# Altium PCB CRD25DA12N-FMC V1.2 (01-2024).PcbDoc (part 4 of 6)
Units mil, origin at the board's own origin, x right, y up, seen from the top; angles counter-clockwise.
Board outline 8000 x 8000 mil, 6 copper layers (Top Layer, Layer 2, Layer 3, Layer 4, Layer 5, Bottom Layer), stack 91 mil thick; 574 components, 325 nets, 1631 pads, 633 vias.
Unrouted connection lines stored in the file: 1.
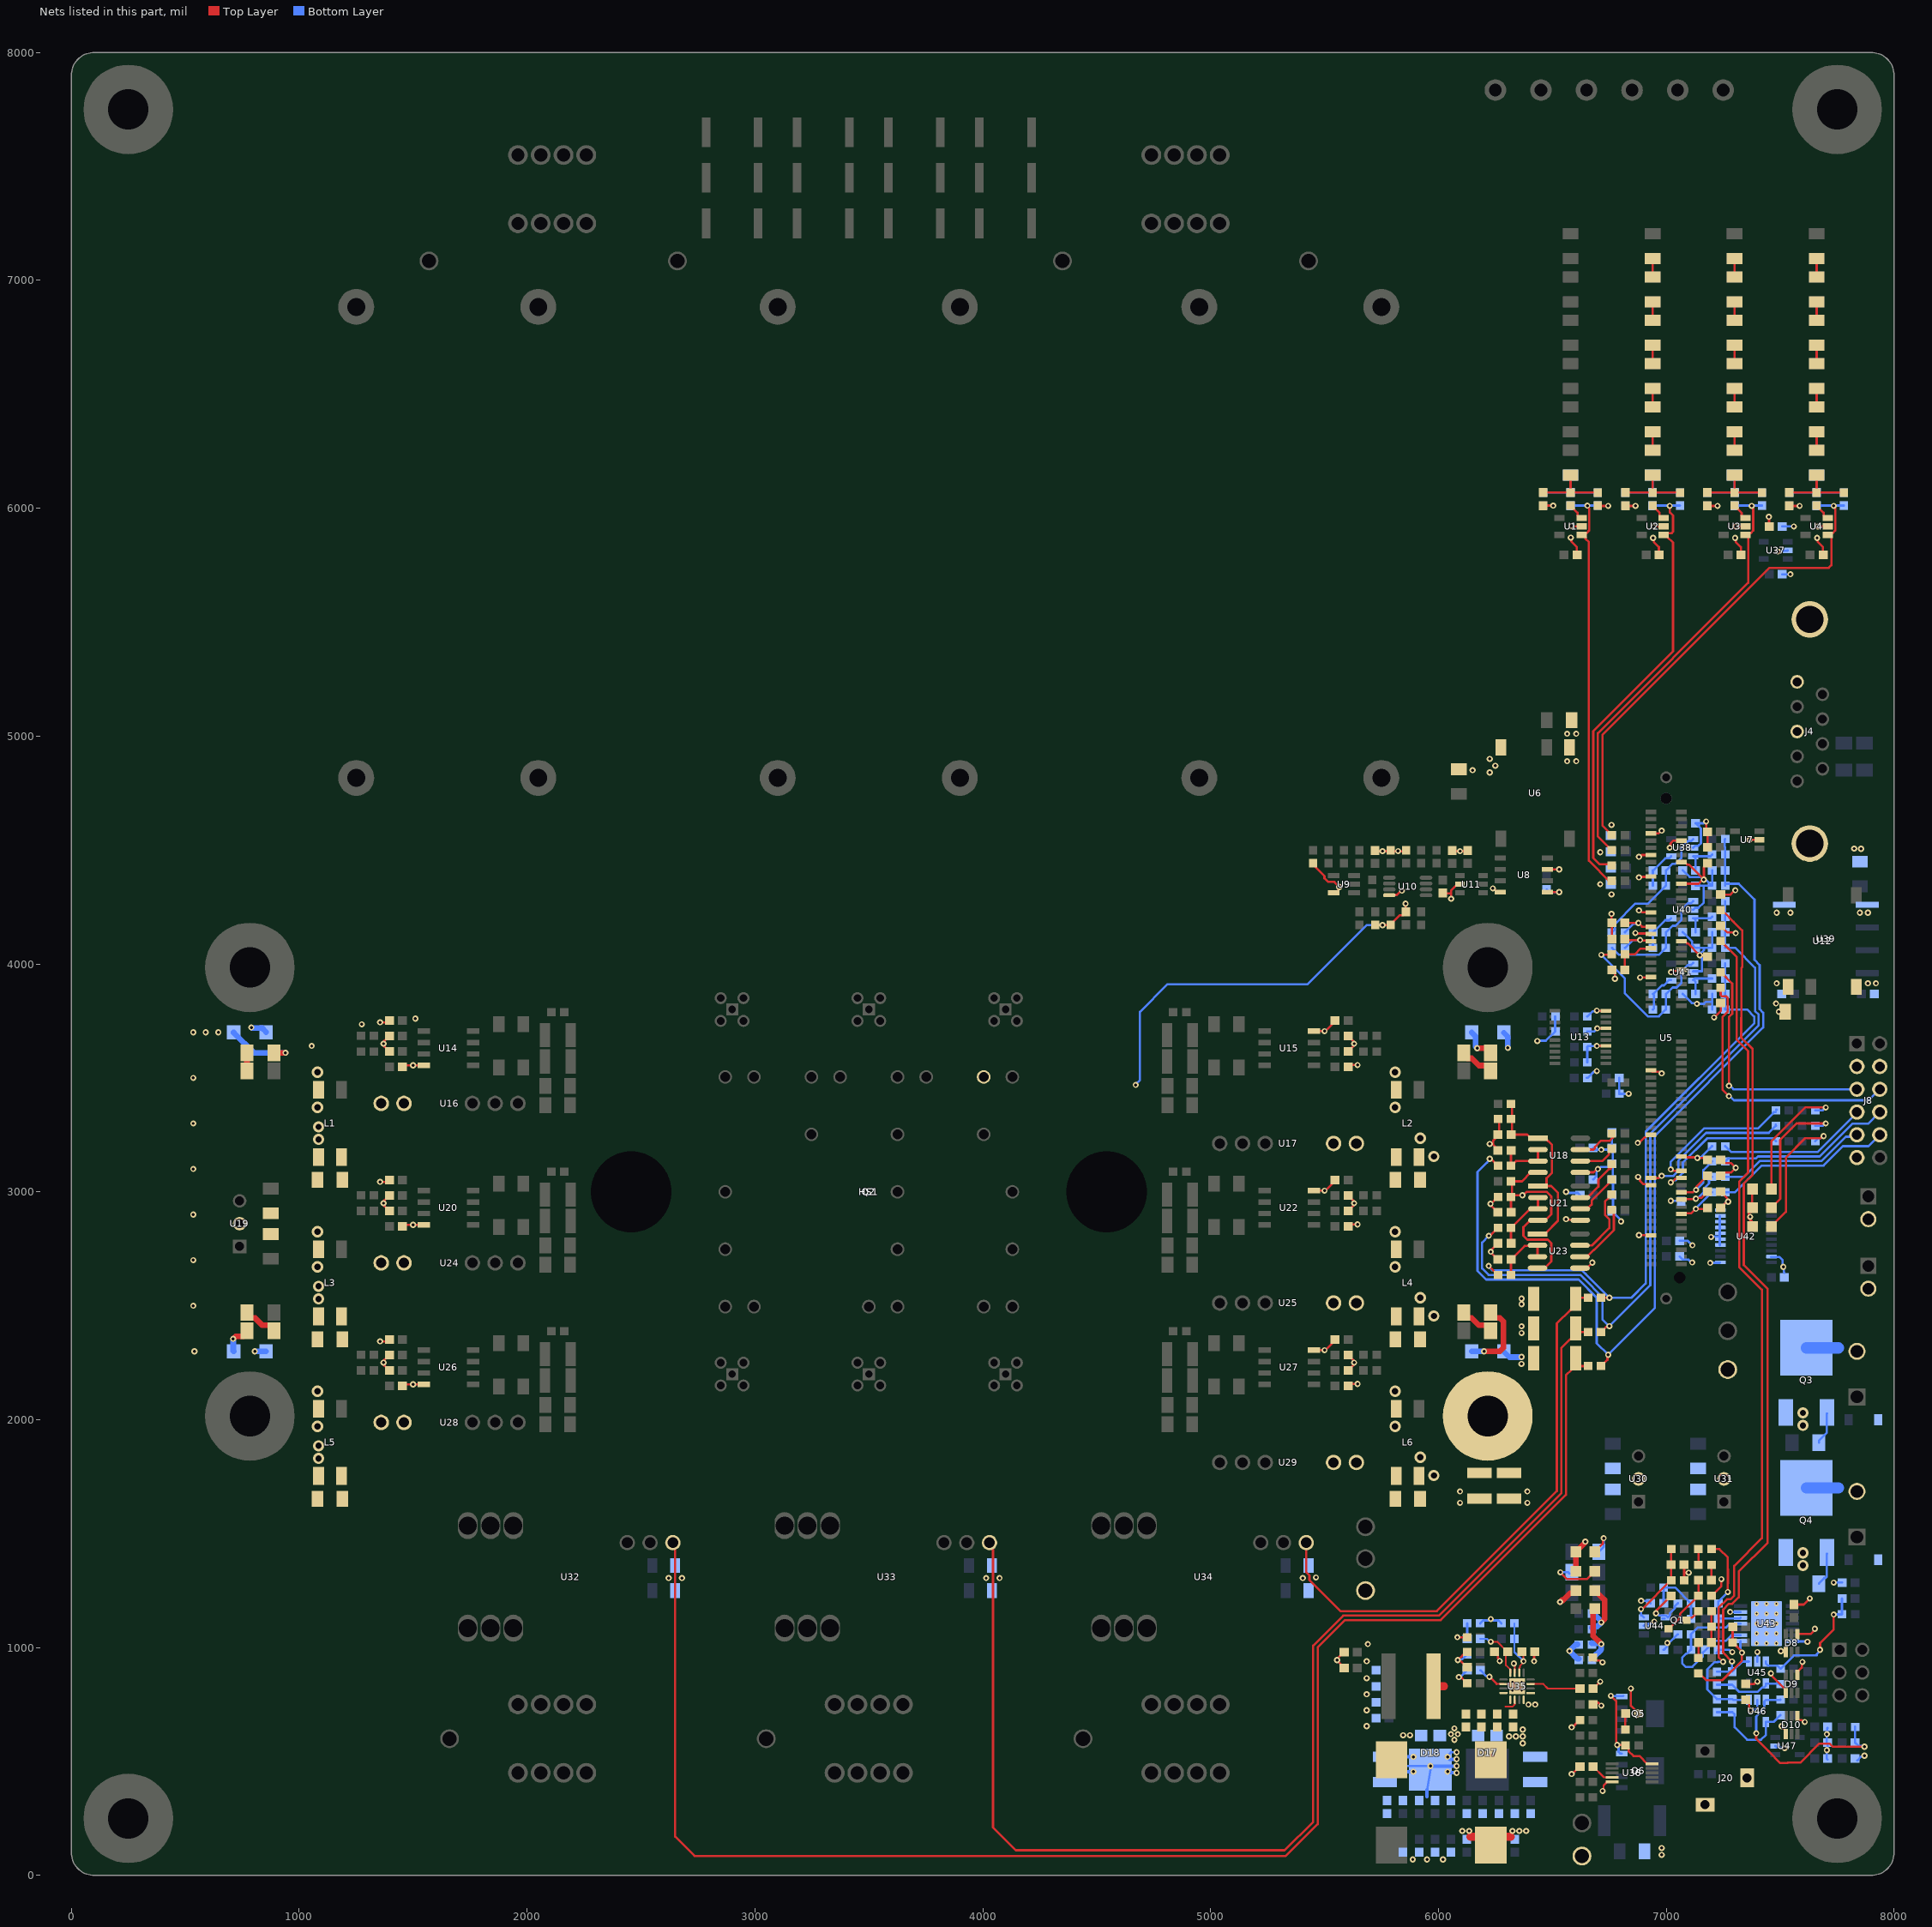
[diagram p8: the nets of this part, all layers, seen from the top]

## Via types
v1: diameter 27, hole 13, Top Layer to Bottom Layer, tented both sides, 537 vias
v2: diameter 50, hole 28, Top Layer to Bottom Layer, tented both sides, 76 vias
v3: diameter 19.68, hole 7.87, Top Layer to Bottom Layer, tented top, 15 vias
v4: diameter 19.68, hole 7.87, Top Layer to Bottom Layer, tented both sides, 5 vias

## Nets (pads, with @x,y where several pads share a name; then routed paths per layer and width w, separated by ;. In a path a pad name is that pad's centre, name@x,y a point inside that pad or via, vN(x,y) a via of type N, cw(c..) or ccw(c..) an arc to the next point about the centre after c; other vN are vias at no path point) (continued)
GND: C1.2 C2.2 C3.2 C4.2 C5.2 C6.2 C7.2 C8.2 C9.2 C10.2 C12.2 C13.2 C17.2 C19.2 C21.2 C22.2 C23.2 C24.2 C25.2 C26.2 C27.2 C28.2 C29.2 C32.2 C33.2 C34.2 C35.2 C38.2 C39.2 C44.2 C45.2 C46.2 C47.2 C50.2 C51.2 C54.2 C55.2 C56.2 C57.2 C58.2 C59.2 C60.2 C61.2 C64.2 C65.2 C66.2 C69.2 C70.2 C75.2 C76.2 C79.2 C80.2 C81.2 C82.2 C85.2 C86.2 C93.2 C96.2 C99.2 C100.2 C101.2 C102.2 C104.2 C105.2 C106.2 C107.2 C108.2 C113.2 C121.2 C122.2 C123.2 C124.2 C125.2 C127.2 C128.2 C129.2 C131.2 C132.2 C133.2 C134.2 C135.2 C137.2 C139.2 C140.2 C141.2 C143.2 C144.2 C145.2 C146.2 C147.2 C148.2 C149.2 C150.2 C151.2 C152.2 C153.2 C154.2 C155.2 C156.2 C157.2 C158.2 C159.2 C160.2 C161.2 C162.2 C163.2 C164.2 C165.2 C166.1 C167.1 C168.1 C170.2 C173.2 C174.2 C175.2 C176.2 C179.2 C182.2 C183.2 C184.2 C186.2 C187.2 C188.2 C190.2 C191.2 C192.2 C193.2 C194.2 C195.2 C196.2 C197.2 C198.2 C199.2 C200.2 C201.2 C202.2 C203.2 C204.2 C205.2 C206.2 C207.2 D1.1 D2.1 D3.1 D4.1 D5.1 D6.1 D8.1 D8.4 D9.1 D9.4 D10.1 D10.4 D11.1 D12.1 D13.1 D14.1 D18.1 J8.3 J8.4 J8.11 J9.2 J10.2 J20.2 J20.3 L1.2 L2.2 L3.2 L4.2 L5.2 L6.2 L9.1 Q3.3 Q4.3 R38.1 R83.1 R97.1 R105.1 R109.1 R117.1 R125.1 R126.1 R130.1 R131.1 R134.1 R137.1 R141.1 R142.1 R185.1 R190.1 R195.1 R197.1 R198.1 R199.1 R200.1 R201.1 R202.1 R203.1 R226.1 R229.1 R230.1 R231.1 R234.1 TP7.1 TP10.1 TP15.1 U1.2 U2.2 U3.2 U4.2 U5.7 U5.10 U5.13 U5.16 U5.19 U5.22 U5.29 U5.35 U5.38 U5.46 U5.47 U5.65 U5.83 U5.97 U5.111 U6.1 U7.2 U8.5 U8.7 U12.1 U13.4 U13.7 U13.10 U14.4 U15.4 U18.5 U19.2 U20.4 U21.5 U22.4 U23.5 U26.4 U27.4 U30.2 U31.2 U35.1 U35.7 U35.16 U35.17 U36.5 U37.2 U38.2 U39.4 U40.2 U41.2 U42.1 U42.4 U42.5 U42.6 U42.7 U42.8 U42.9 U42.10 U42.19 U43.6 U43.14 U43.15 U44.2 U45.2 U46.2 U47.2 | length 12249.7
  Top Layer w8: v1(6331.08,930) 6331.08,924.86 6335.16,920.78 6335.16,889.81 U35.7@6334.87,889.52 ; v1(6720.98,370.5) 6724.62,374.14 6724.62,394.48 U36.5@6739.86,409.72 ; U36.5@6740.77,410.63 U36.5@6762.91,410.63
  Top Layer w10: v1(1355,2343.5) 1382.92,2343.5 C75.2@1391.42,2352 ; v1(1355,3043.5) 1382.92,3043.5 C50.2@1391.42,3052 ; v1(1355,3743.5) 1382.92,3743.5 C28.2@1391.42,3752 ; C81.2@1391.42,2216 1391.42,2220.05 1373.25,2238.22 1373.25,2246.75 v1(1370,2250) 1373.25,2253.25 1373.25,2261.78 1391.42,2279.95 C79.2@1391.42,2284 ; C59.2@1391.42,2916 1391.42,2920.05 1373.25,2938.22 1373.25,2946.75 v1(1370,2950) 1373.25,2953.25 1373.25,2961.78 1391.42,2979.95 C56.2@1391.42,2984 ; C34.2@1391.42,3616 1391.42,3620.05 1373.25,3638.22 1373.25,3646.75 v1(1370,3650) 1373.25,3653.25 1373.25,3661.78 1391.42,3679.95 C32.2@1391.42,3684 ; C85.2@1448.58,2148 1455.58,2155 v1(1500,2155) U26.4@1546.73,2155 ; C64.2@1448.58,2848 1455.58,2855 v1(1500,2855) U20.4@1546.73,2855 ; C38.2@1448.58,3548 1455.58,3555 v1(1500,3555) U14.4@1546.73,3555 ; U27.4@5453.27,2305 v1(5500,2305) 5505,2305 5505,2306.53 5550.47,2352 C76.2@5551.42,2352 ; U22.4@5453.27,3005 v1(5500,3005) 5505,3005 5505,3006.53 5550.47,3052 C51.2@5551.42,3052 ; U15.4@5453.27,3705 v1(5500,3705) 5505,3705 5505,3706.53 5550.47,3752 C29.2@5551.42,3752 ; C102.2@5586.42,900 5586.42,912.05 5555,943.47 5555,949.53 5575.47,970 C99.2@5586.42,970 ; C86.2@5608.58,2148 5617.08,2156.5 v1(5645,2156.5) ; C82.2@5608.58,2216 5608.58,2220.05 5626.75,2238.22 5626.75,2246.75 v1(5630,2250) 5626.75,2253.25 5626.75,2261.78 5608.58,2279.95 C80.2@5608.58,2284 ; C65.2@5608.58,2848 5617.08,2856.5 v1(5645,2856.5) ; C60.2@5608.58,2916 5608.58,2920.05 5626.75,2938.22 5626.75,2946.75 v1(5630,2950) 5626.75,2953.25 5626.75,2961.78 5608.58,2979.95 C57.2@5608.58,2984 ; C39.2@5608.58,3548 5617.08,3556.5 v1(5645,3556.5) ; C35.2@5608.58,3616 5608.58,3620.05 5626.75,3638.22 5626.75,3646.75 v1(5630,3650) 5626.75,3653.25 5626.75,3661.78 5608.58,3679.95 C33.2@5608.58,3684 ; v1(6083.11,1045) R134.1@6126.38,1045 ; v1@6102.73,866.75 6125.47,844 R141.1@6126.38,844 ; v1(6135,195) 6135,175.86 6140.86,170 ; L9.1@6192.99,170 L9.1@6230,132.99 L9.1@6267.01,170 ; C100.2@6246.42,981 6247.37,981 6261.24,967.14 6261.24,952.5 6268.91,944.82 v1(6268.91,940.28) ; C70.2@6261.42,2703.96 6260.47,2703.96 6230,2734.43 v1(6230,2736.96) 6233.25,2740.21 6233.25,2746.74 6260.47,2773.96 C69.2@6261.42,2773.96 ; C61.2@6261.42,2909.96 6260.47,2909.96 6231.87,2938.55 6231.87,2943.57 v1(6228.62,2946.82) 6229.34,2946.82 6260.47,2977.96 R97.1@6261.38,2977.96 ; C61.2@6266.42,2909.96 C61.2@6266.38,2910 ; R83.1@6266.38,3319 6266.42,3318.96 6266.42,3251 6265.47,3251 6251.61,3237.14 6251.61,3236.19 6240.73,3225.3 6240.73,3206.75 6262.47,3185 C45.2@6275,3185 ; 6317.98,170 6323.84,175.86 6323.84,193.84 v1(6325,195) ; v1(6331.08,930) 6334.33,926.75 6334.33,921.07 v1@6334.87,920.53 ; v1(6420,940) 6420,977.42 C101.2@6423.58,981 ; C1.2@6460,6011.42 v1(6503.58,6011.42) ; U8.7@6478.35,4415 v1(6530,4415) ; U8.5@6485,4315 v1(6530,4315) ; v1(6560,2880) 6562.53,2877.47 6620.58,2877.47 U21.5@6623.06,2875 ; v1(6580.67,5871.13) 6583.92,5867.88 6583.92,5853.71 6607.63,5830 6607.63,5795.95 C6.2@6608.58,5795 ; v1(6583.58,5921.42) 6584.29,5920.71 6627.52,5920.71 U1.2@6628.23,5920 ; v1(6585,445) 6587.47,445 6620.47,478 C113.2@6621.42,478 ; v1(6585,650) 6588.47,650 6618.47,680 R142.1@6625,680 ; U23.5@6621.11,2665 6652.04,2665 6675.82,2688.78 v1(6675.82,2689.09) ; U18.5@6623.06,3085 6623.41,3085.36 6680.76,3085.36 6695.4,3100 v1(6700,3100) ; C107.2@6678.58,750 6685.82,757.24 6700.74,757.24 ; C105.2@6678.58,819 6679.53,819 6710,849.47 v1(6710,850) ; R137.1@6678.62,956 6691.58,943.04 6707.36,943.04 6715.4,935 v1(6720,935) ; v1(6695,3640) 6695.3,3640.3 6734.7,3640.3 U13.4@6735,3640.59 ; v1(6695,3795) 6695.43,3794.57 6734.57,3794.57 U13.10@6735,3794.13 ; v1(6697.19,3717.36) U13.7@6735,3717.36 ; R38.1@6700,6011.38 6701.38,6010 v1(6745,6010) ; 6701.75,758.25 v1(6715,745) ; U36.5@6739.86,409.72 U36.5@6740.77,410.63 ; v1(6760,4220) 6760,4181.42 C21.2@6761.42,4180 C23.2@6761.42,4110 ; C25.2@6761.42,3974 6775,3960.42 v1(6775,3935) ; C2.2@6820,6011.42 6821.42,6010 v1(6865,6010) ; v1(6845,820) 6845,743.58 6863.76,724.81 6863.76,723.86 6877.63,710 C108.2@6878.58,710 ; v1(6864.55,4135.68) 6866.54,4133.69 6931.08,4133.69 U5.35@6933.07,4131.69 ; v1(6875,3215) 6878.25,3218.25 6884,3218.25 6904.89,3239.15 6908.64,3239.15 6919.29,3249.8 U5.83@6933.07,3249.8 ; v1(6876.5,3065) 6876.5,3060.4 6884.75,3052.15 6884.75,3048.22 6898.8,3034.17 6928.23,3034.17 U5.97@6933.07,3029.33 ; v1(6880,2810) 6880.57,2809.43 6929.43,2809.43 U5.111@6930,2810 ; v1(6880,4235) 6884.6,4235 6893.42,4226.18 U5.29@6933.07,4226.18 ; v1(6880,4380) 6881.83,4381.83 6931.24,4381.83 U5.19@6933.07,4383.66 ; v1(6880,4470) 6884.6,4470 6892.75,4478.15 U5.13@6933.07,4478.15 ; v1(6885,3940) 6885.47,3940.47 6934.53,3940.47 U5.47@6935,3940.94 ; U5.7@6933.07,4572.64 6966.29,4572.64 6978.65,4585 v1(6980,4585) ; U5.65@6935,3531.5 6939.84,3526.65 6968.75,3526.65 6975.4,3520 v1(6980,3520) ; v1(6942.09,5869.71) 6945.34,5866.45 6945.34,5852.28 6967.63,5830 6967.63,5795.95 C7.2@6968.58,5795 ; v1(6945,5920) U2.2@6988.23,5920 ; v1(7015,4510) 7018.25,4513.25 7018.25,4528.25 7031.14,4541.14 U5.10@7066.93,4541.14 ; v1(7021.31,3964.12) 7025.91,3964.12 7031.16,3969.37 7063.35,3969.37 U5.46@7067.64,3973.66 ; U5.38@7066.93,4100.2 7080.71,4100.2 7091.36,4089.54 7095.45,4089.54 v1(7147.18,4037.82) 7175.61,4037.82 C24.2@7181.42,4032 ; U5.22@7066.93,4352.17 7142.57,4352.17 7160.4,4370 v1(7165,4370) ; U5.16@7071.77,4451.5 U5.16@7066.93,4446.65 7080.71,4446.65 7091.36,4436 7099,4436 v1(7165,4370) ; R130.1@7078.62,1295 R130.1@7078.62,1295 7078.58,1330 ; C93.2@7078.58,1363 7078.58,1330 ; C93.2@7079.53,1347.25 C93.2@7079.53,1363 ; v1(7098.39,1328.39) 7080.19,1328.39 cw(c7080.19,1330) 7078.58,1330 ; v1(7175,4625) 7175,4586.42 C12.2@7181.42,4580 C13.2@7181.42,4511 ; C3.2@7180,6011.42 7181.42,6010 v1(7225,6010) ; C17.2@7181.42,4442 7180.47,4442 7166.61,4428.14 7166.61,4427.19 7165,4425.58 v1(7165,4370) ; R131.1@7198.62,1227 7199.53,1227 7241.89,1269.36 v1(7241.89,1300) ; v1(7210,3765) 7240,3795 7240,3826.58 C26.2@7238.58,3828 ; C58.2@7238.58,2930 7239.53,2930 7262.82,2953.29 7268.25,2953.29 v1(7271.5,2956.54) 7268.25,2959.8 7268.25,2971.28 7239.53,3000 C55.2@7238.58,3000 ; C47.2@7238.58,3070 7235,3070 7230,3075 7238.86,3083.86 7283.86,3083.86 v1(7305,3105) 7283.86,3126.14 7252.44,3126.14 C46.2@7238.58,3140 ; C22.2@7238.58,4168 7239.53,4168 7269.27,4138.25 7301.75,4138.25 v1(7305,4135) ; C19.2@7238.58,4304 7281.99,4304 7301.26,4323.27 v1(7303.03,4323.27) ; v1(7302.09,5869.71) 7305.34,5866.45 7305.34,5852.28 7327.63,5830 7327.63,5795.95 C8.2@7328.58,5795 ; v1(7305,5920) U3.2@7348.23,5920 ; C106.2@7348.58,771 7349.53,771 7363.39,757.14 7363.39,735.07 7370,728.46 v1(7370,723.86) ; C104.2@7348.58,840 7385.52,840 7395.52,850 v1(7400.12,850) ; v1@7360.04,2893.32 7360,2893.28 7360,2885 v1@7361.75,2883.25 ; v1(7365,4545) U7.2@7408.15,4545 ; D2.1@7365.51,2949.17 7367.17,2949.17 D2.1@7367.17,2950.83 ; D2.1@7372.7,2911.63 7361.51,2911.63 7361.26,2911.38 7361.26,2897.24 v1(7368.5,2890) v1@7361.75,2883.25 ; D3.1@7375,2870 v1@7361.75,2883.25 ; D2.1@7375,2948.66 7376.34,2950 D1.1@7376.34,3029.21 ; v1(7450,5962.36) 7451.14,5961.23 C5.2@7451.14,5920 ; v1(7459.15,886.52) 7462.41,883.26 7462.41,876.41 7524.41,814.41 D9.1@7524.41,800.63 ; v1(7502.68,984.44) 7520.6,984.44 D8.1@7524.41,980.63 ; v1(7506,655.26) 7506,652.82 7520.55,638.27 D10.1@7520.55,625 ; C4.2@7540,6011.42 7541.42,6010 v1(7585,6010) ; C96.2@7560,1188.58 7603.58,1188.58 v1(7630,1215) ; D10.4@7575.59,699.37 7575.59,685.59 7579.45,681.73 7594.67,681.73 7603.29,673.11 v1(7607.89,673.11) ; D9.4@7575.59,879.37 7575.59,893.15 7594.61,912.17 7594.61,933.41 v1(7597.86,936.66) ; D8.4@7575.59,1059.37 7633.25,1059.37 7652.35,1078.46 v1(7652.35,1082.35) ; v1(7662.09,5869.71) 7665.34,5866.45 7665.34,5852.28 7687.63,5830 7687.63,5795.95 C9.2@7688.58,5795 ; v1(7665,5920) U4.2@7708.23,5920
  Top Layer w25: v1(6534.01,1199.85) 6534.55,1199.85 6542,1207.3 6547.3,1207.3 6578.88,1238.88 6592.54,1238.88 D6.1@6603.66,1250 ; D5.1@6603.66,1335 D4.1@6603.66,1420 6644.62,1460.96 6644.62,1464.62 v1(6645,1465)
  Top Layer w35: 6140.86,170 L9.1@6192.99,170 ; L9.1@6267.01,170 6317.98,170
  Bottom Layer w10: 5860,480 v1(5965,480) ; D18.1@5950,376.14 D18.1@5965,464.06 ; v1(6040,455) D18.1@6045,450 ; D18.1@6050,510 v1(6040,520) 6040,525.51 6054.49,540 v1(6080,540) ; v1(6090,870) 6093.25,873.25 6098.73,873.25 6125.47,900 C175.2@6126.42,900 ; R226.1@6183.62,1106 6196.58,1118.96 6219.36,1118.96 6225.4,1125 6234.6,1125 6240.64,1118.96 6263.42,1118.96 R230.1@6276.38,1106 ; D13.1@6287.4,2298.03 D13.1@6287.4,2300 ; D11.1@6287.4,3698.03 D11.1@6287.4,3700 ; D13.1@6311.93,2273.5 D13.1@6313.9,2273.5 ; v1(6433.85,3661.83) 6434.99,3662.97 6471.31,3662.97 6511.34,3703 6512.24,3703 R198.1@6512.24,3770 ; C131.2@6475,4326.42 6486.42,4315 v1(6530,4315) ; v1(6560,3000) 6564.6,3000 6569.6,2995 6611.42,2995 C153.2@6621.42,2985 ; C144.2@6650,3500 C144.2@6653.58,3500 6654.53,3500 6681.27,3526.75 6691.75,3526.75 v1(6695,3530) ; R202.1@6653.62,3568 R201.1@6653.62,3636 6657.62,3640 v1(6695,3640) ; R199.1@6653.62,3703 6682.82,3703 v1(6697.19,3717.36) ; R197.1@6653.62,3770 6654.53,3770 6676.27,3791.75 6691.75,3791.75 v1(6695,3795) ; C150.2@6678.58,3054 6679.53,3054 6693.39,3067.86 6693.39,3088.79 6700,3095.4 v1(6700,3100) 6704.6,3100 6713.74,3109.14 6747.56,3109.14 C148.2@6761.42,3123 ; C147.2@6678.58,3192 6685.58,3185 v1(6715,3185) 6756.46,3185 C146.2@6761.46,3180 ; 6761.46,3240 C146.2@6761.46,3180 ; C143.2@6793.58,3500 R203.1@6793.62,3430 R203.1@6793.62,3430 v1(6835,3430) ; v1(6801.5,2870) 6798.25,2873.25 6798.25,2879.13 6756.07,2921.3 6752.76,2921.3 6766.46,2935 6766.46,3055.63 6765,3057.09 6765,3176.46 C146.2@6761.46,3180 ; v1(6889.85,1205.15) 6920.27,1205.15 C170.2@6931.42,1194 ; U44.2@6901.77,1095 6910.55,1103.78 6932.8,1103.78 6942.81,1113.79 v1(6947.41,1113.79) ; C174.2@6988.58,990 6989.53,990 7003.39,1003.86 7003.39,1012.47 7007.99,1017.07 v1@7009.28,1017.07 ; v1(7005.01,1020.32) 7006.03,1020.32 v1@7009.28,1017.07 ; v1(7019.81,2960) 7062.85,2960 C151.2@7065,2957.85 ; R229.1@7050.47,1058 7031.87,1039.39 7031.87,1039.26 7012.92,1020.32 7012.53,1020.32 v1@7009.28,1017.07 ; C156.2@7058.58,2716 7072.44,2702.14 7097.31,2702.14 7109.45,2690 v1(7114.05,2690) ; C155.2@7058.58,2785 7094.69,2785 7114.69,2765 v1(7115,2765) ; C141.2@7071.42,3868 7072.37,3868 7112.12,3828.25 7131.75,3828.25 v1(7135,3825) 7166,3825 7175.02,3834.02 7201.42,3834.02 ; C135.2@7071.42,4139 7072.37,4139 7113.76,4097.61 7113.76,4083.86 7127.63,4070 C137.2@7128.58,4070 7164.98,4070 ; C129.2@7071.42,4411 7072.37,4411 7102.24,4381.14 7150.33,4381.14 7161.47,4370 v1(7165,4370) 7168.25,4366.75 7176.73,4366.75 R185.1@7200.47,4343 ; U41.2@7118.23,3967 7119.23,3968.01 7156.78,3968.01 7156.78,4023.62 7147.18,4033.22 v1(7147.18,4037.82) 7147.18,4042.42 7164.98,4060.21 7164.98,4070 ; U40.2@7118.23,4238 7127.01,4246.78 7141.58,4246.78 7164.52,4269.72 7164.52,4343 ; U38.2@7118.23,4510 7127.01,4518.78 7141.58,4518.78 7151.87,4529.07 7151.87,4594.66 C123.2@7129.53,4617 ; C133.2@7128.58,4343 7164.52,4343 ; C123.2@7128.58,4617 C123.2@7129.53,4617 ; v1(7175,4625) 7170.4,4625 7162.4,4617 C123.2@7129.53,4617 ; v1(7193.1,2688.1) 7193.46,2688.46 7234.64,2688.46 U42.1@7235,2688.82 ; v1(7196.63,2801.63) 7198.98,2803.98 7235,2803.98 ; R195.1@7201.38,3800 R195.1@7201.38,3800 7201.42,3834.02 ; C140.2@7201.42,3868 7201.42,3834.02 ; C134.2@7201.42,4139 C134.2@7201.42,4139 R190.1@7201.38,4070 7164.98,4070 ; C128.2@7201.42,4411 C128.2@7201.42,4411 R185.1@7201.38,4343 R185.1@7200.47,4343 ; C173.2@7220.28,975.24 C173.2@7230.05,985 ; C173.2@7228.58,990 7275.4,990 7285.4,980 v1(7290,980) ; U42.4@7235,2765.59 7235,2803.98 ; U42.9@7235,2893.54 7235,2803.98 ; U42.10@7235,2919.13 7246.97,2919.13 7249.85,2922.01 7249.85,2939.85 7252.01,2942.01 7252.36,2942.01 7266.9,2956.54 v1(7271.5,2956.54) ; v1(7280.29,1156.3) 7280.35,1156.24 U43.6@7325.83,1156.18 U43.6@7325.83,1156.18 ; v1(7370,723.86) 7373.25,727.11 7389.98,727.11 7400,737.14 U46.2@7400,770 ; U45.2@7400,938.23 v1(7400,980) ; U42.19@7459.41,2714.41 7495.59,2714.41 7510.88,2699.12 7510.88,2673.19 v1(7513.45,2670.62) 7516.7,2667.37 7516.7,2646.84 7518.54,2645 ; U47.2@7478.7,567.6 7485.51,560.79 7509.61,560.79 7509.77,560.62 7517.87,560.62 v1(7520,558.49) ; v1(7490,5810) 7492.5,5812.5 7530.65,5812.5 U37.2@7533.15,5815 ; C122.2@7508.58,5710 v1(7545,5710) ; C121.2@7508.58,5920 v1(7560,5920) ; U43.14@7554.17,1028.23 7555.63,1026.77 7618.55,1026.77 v1(7620,1025.32) ; v1(7705,550) 7705,511.58 C188.2@7708.58,508 ; v1(7705,620) 7705,581.58 7708.58,578 v1@7708.58,550 ; v1@7706.69,620 7706.69,645.11 C184.2@7708.58,647 ; v1(7735,1285) C165.2@7771.42,1285 ; C187.2@7838.53,504 7856.27,521.75 7866.75,521.75 v1(7870,525) ; 7164.52,4343 R185.1@7200.47,4343
  Bottom Layer w15: 5855,520 v1(5890,520) ; 5860,455 v1(5890,455) ; 5950,345 D18.1@5950,376.14 ; v1(5965,480) v1(6080,480) ; D18.1@6045,450 v1(6080,450) ; D18.1@6050,510 v1(6080,510)
  Bottom Layer w25: v1(790,3721.08) 790.54,3721.08 792.62,3719 837.3,3719 854.33,3701.97 D12.1@854.33,3700 ; v1(805,2300) D14.1@854.33,2300 ; D13.1@6287.4,2298.03 D13.1@6311.93,2273.5 ; D11.1@6287.4,3698.03 6304.43,3681 6304.43,3632.61 6305,3632.04 v1(6305,3631.5) ; D13.1@6313.9,2273.5 6315.01,2274.62 6364.62,2274.62 v1(6365,2275) ; R231.1@6610,1013.53 6603.53,1013.53 v1(6575,985) 6575.47,985 6610.47,950 R234.1@6616.47,950
  other v1: 5887.4,70 5950,70 6020,70 6980,90 6980,120 6105,195 6355,195 6385,195 5685,655 5685,725 6395,750 6425,750 5685,795 5685,865 5685,940 5555,945 5690,1014.94 6230,1125 2621.5,1305 2680,1305 4015,1305 4073.5,1305 5405,1305 5462.65,1307.65 6095,1635 6390,1635 6095,1685 6390,1685 6364.7,2244.7 540,2300 6365,2380 6364.85,2409.85 535,2500 6365,2506.5 6365,2531.5 535,2700 535,2900 535,3100 6225,3210 535,3300 535,3500 1055,3640 535,3700 590,3700 645,3700 1275,3735 1510,3760 7494.21,3790 7481.72,3826.72 7485,3915 7485,4225 7545,4225 6760,4305 6710,4350 6710,4490 6760,4610 6565,4890 6605,4890 6565,5010 6605,5010
  other v2: 7600,1360 7600,1415 1080,1970 5810,1970 7600,1974.76 7600,2029.76 1080,2125 5810,2125 1080,2670 5810,2670 1080,2825 5810,2825 1080,3370 5810,3370 1080,3525 5810,3525
  other v3: 7396.69,1018.39 7440,1018.39 7483.31,1018.39 7396.69,1061.69 7440,1061.69 7483.31,1061.69 7396.69,1105 7440,1105 7483.31,1105 7396.69,1148.31 7440,1148.31 7483.31,1148.31 7396.69,1191.61 7440,1191.61 7483.31,1191.61
  other v4: 6325,810 6365,810 6345,830 6325,850 6365,850
GND_ISO: C126.2 C138.2 J4.3 J4.5 J4.10 J4.11 U12.4 U39.5
  other v1: 7885,3915 7920,3915 7850,4225 7885,4225 7855,4505 7824.6,4506.19
GND_NTC: C11.2 C14.2 C15.2 C16.2 C18.2 C20.2 Q2.NTC1 R46.1 R51.1 R52.1 R60.1 R61.1 U6.4 U8.4 U9.5 U10.4 U11.2 | length 2383.2
  Top Layer w10: R46.1@5450,4436.38 5450,4435.47 5500,4385.47 5500,4375.87 5515.87,4360 5543.1,4360 v1(5565,4338.1) 5565,4333.5 5560.91,4329.41 5560.91,4319.21 5554.29,4312.6 U9.5@5539.92,4312.6 ; R60.1@5722,4171.38 5723.38,4170 v1(5755,4170) 5788.62,4170 R61.1@5790,4171.38 5790,4172.28 5831.48,4213.76 5844.14,4213.76 5858,4227.63 C20.2@5858,4228.58 5855.78,4230.8 v1(5855.78,4264.61) ; C14.2@5722,4493.58 5723.42,4495 v1(5755,4495) 5788.62,4495 5790,4493.62 R52.1@5858,4493.62 ; U10.4@5784.29,4301.61 5785.77,4303.09 5817.82,4303.09 5836.04,4321.31 v1(5839.9,4321.31) ; C18.2@6020,4311.42 6021.42,4310 6055,4310 ; v1@6055,4290 6055.64,4290.64 6055.64,4321.66 6083.98,4350 U11.2@6093.82,4350 ; C15.2@6060,4493.58 6061.42,4495 v1(6095,4495) 6126.58,4495 C16.2@6128,4493.58 ; v1(6238.99,4331.3) 6241.57,4331.3 6257.87,4315 U8.4@6271.65,4315
  Bottom Layer w10: v1(4671.61,3468.79) 4671.61,3472.32 4690,3490.71 4690,3790 4810,3910 5425,3910 5685,4170 v1(5755,4170)
  other v1: 6055.64,4286.1 5823,4495.04 6225,4840 6150,4850 6250,4870 6225,4900
GPIO35: C46.1 R210.2 U5.90 | length 202.3
  Top Layer w10: U5.90@7066.93,3155.31 7070.74,3151.5 v1@7133.49,3151.51 ; v1(7136.75,3148.25) 7173.17,3148.25 C46.1@7181.42,3140
  Bottom Layer w10: v1(7136.75,3148.25) 7140,3151.51 7151.98,3151.51 7200.47,3200 R210.2@7201.38,3200
GPIO54: C47.1 R211.2 U5.100 | length 306
  Top Layer w10: U5.100@7066.93,2997.83 7115.93,2997.83 7126.35,3008.25 v1(7130.95,3008.25) 7133.25,3010.55 7133.25,3022.78 7180.47,3070 C47.1@7181.42,3070
  Bottom Layer w10: v1(7130.95,3008.25) 7162.55,3039.83 7162.55,3095.08 7200.47,3133 R211.2@7201.38,3133
GPIO55: C55.1 R212.2 U5.102 | length 257.6
  Top Layer w10: U5.102@7066.93,2966.34 7068.76,2968.17 7128.17,2968.17 v1(7130,2970) 7133.25,2973.25 7153.73,2973.25 7180.47,3000 C55.1@7181.42,3000
  Bottom Layer w10: v1(7130,2970) 7133.25,2973.25 7138.56,2973.25 7164.66,2999.36 7164.66,3013.66 7187.52,3036.51 7187.52,3053.04 7200.47,3066 R212.2@7201.38,3066
GPIO57: C58.1 R213.2 U5.106 | length 229.4
  Top Layer w10: U5.106@7066.93,2903.35 7068.73,2905.15 7109.54,2905.15 7129.39,2925 v1(7130,2925) 7176.42,2925 ccw(c7176.42,2930) C58.1@7181.42,2930
  Bottom Layer w10: v1(7130,2925) 7130,2927.53 7200.47,2998 R213.2@7201.38,2998
HI_OC_REF: C44.1 R82.1 R83.2 U18.1 U21.1 U23.1 | length 857.2
  Top Layer w10: R82.1@6323.62,3386 6323.62,3319 6323.62,3251.04 6323.58,3251 6389.7,3251 6405.7,3235 U18.1@6436.94,3235 6468.19,3235 6498.19,3205 6498.19,3083.24 6474.64,3059.7 6474.64,3031.46 U21.1@6468.19,3025 ; U23.1@6435,2815 6466.24,2815 6525,2873.76 6525,2995 6495,3025 U21.1@6468.19,3025 ; U21.1@6436.94,3025 U21.1@6468.19,3025